# KiCad board panel-main.kicad_pcb (continued)
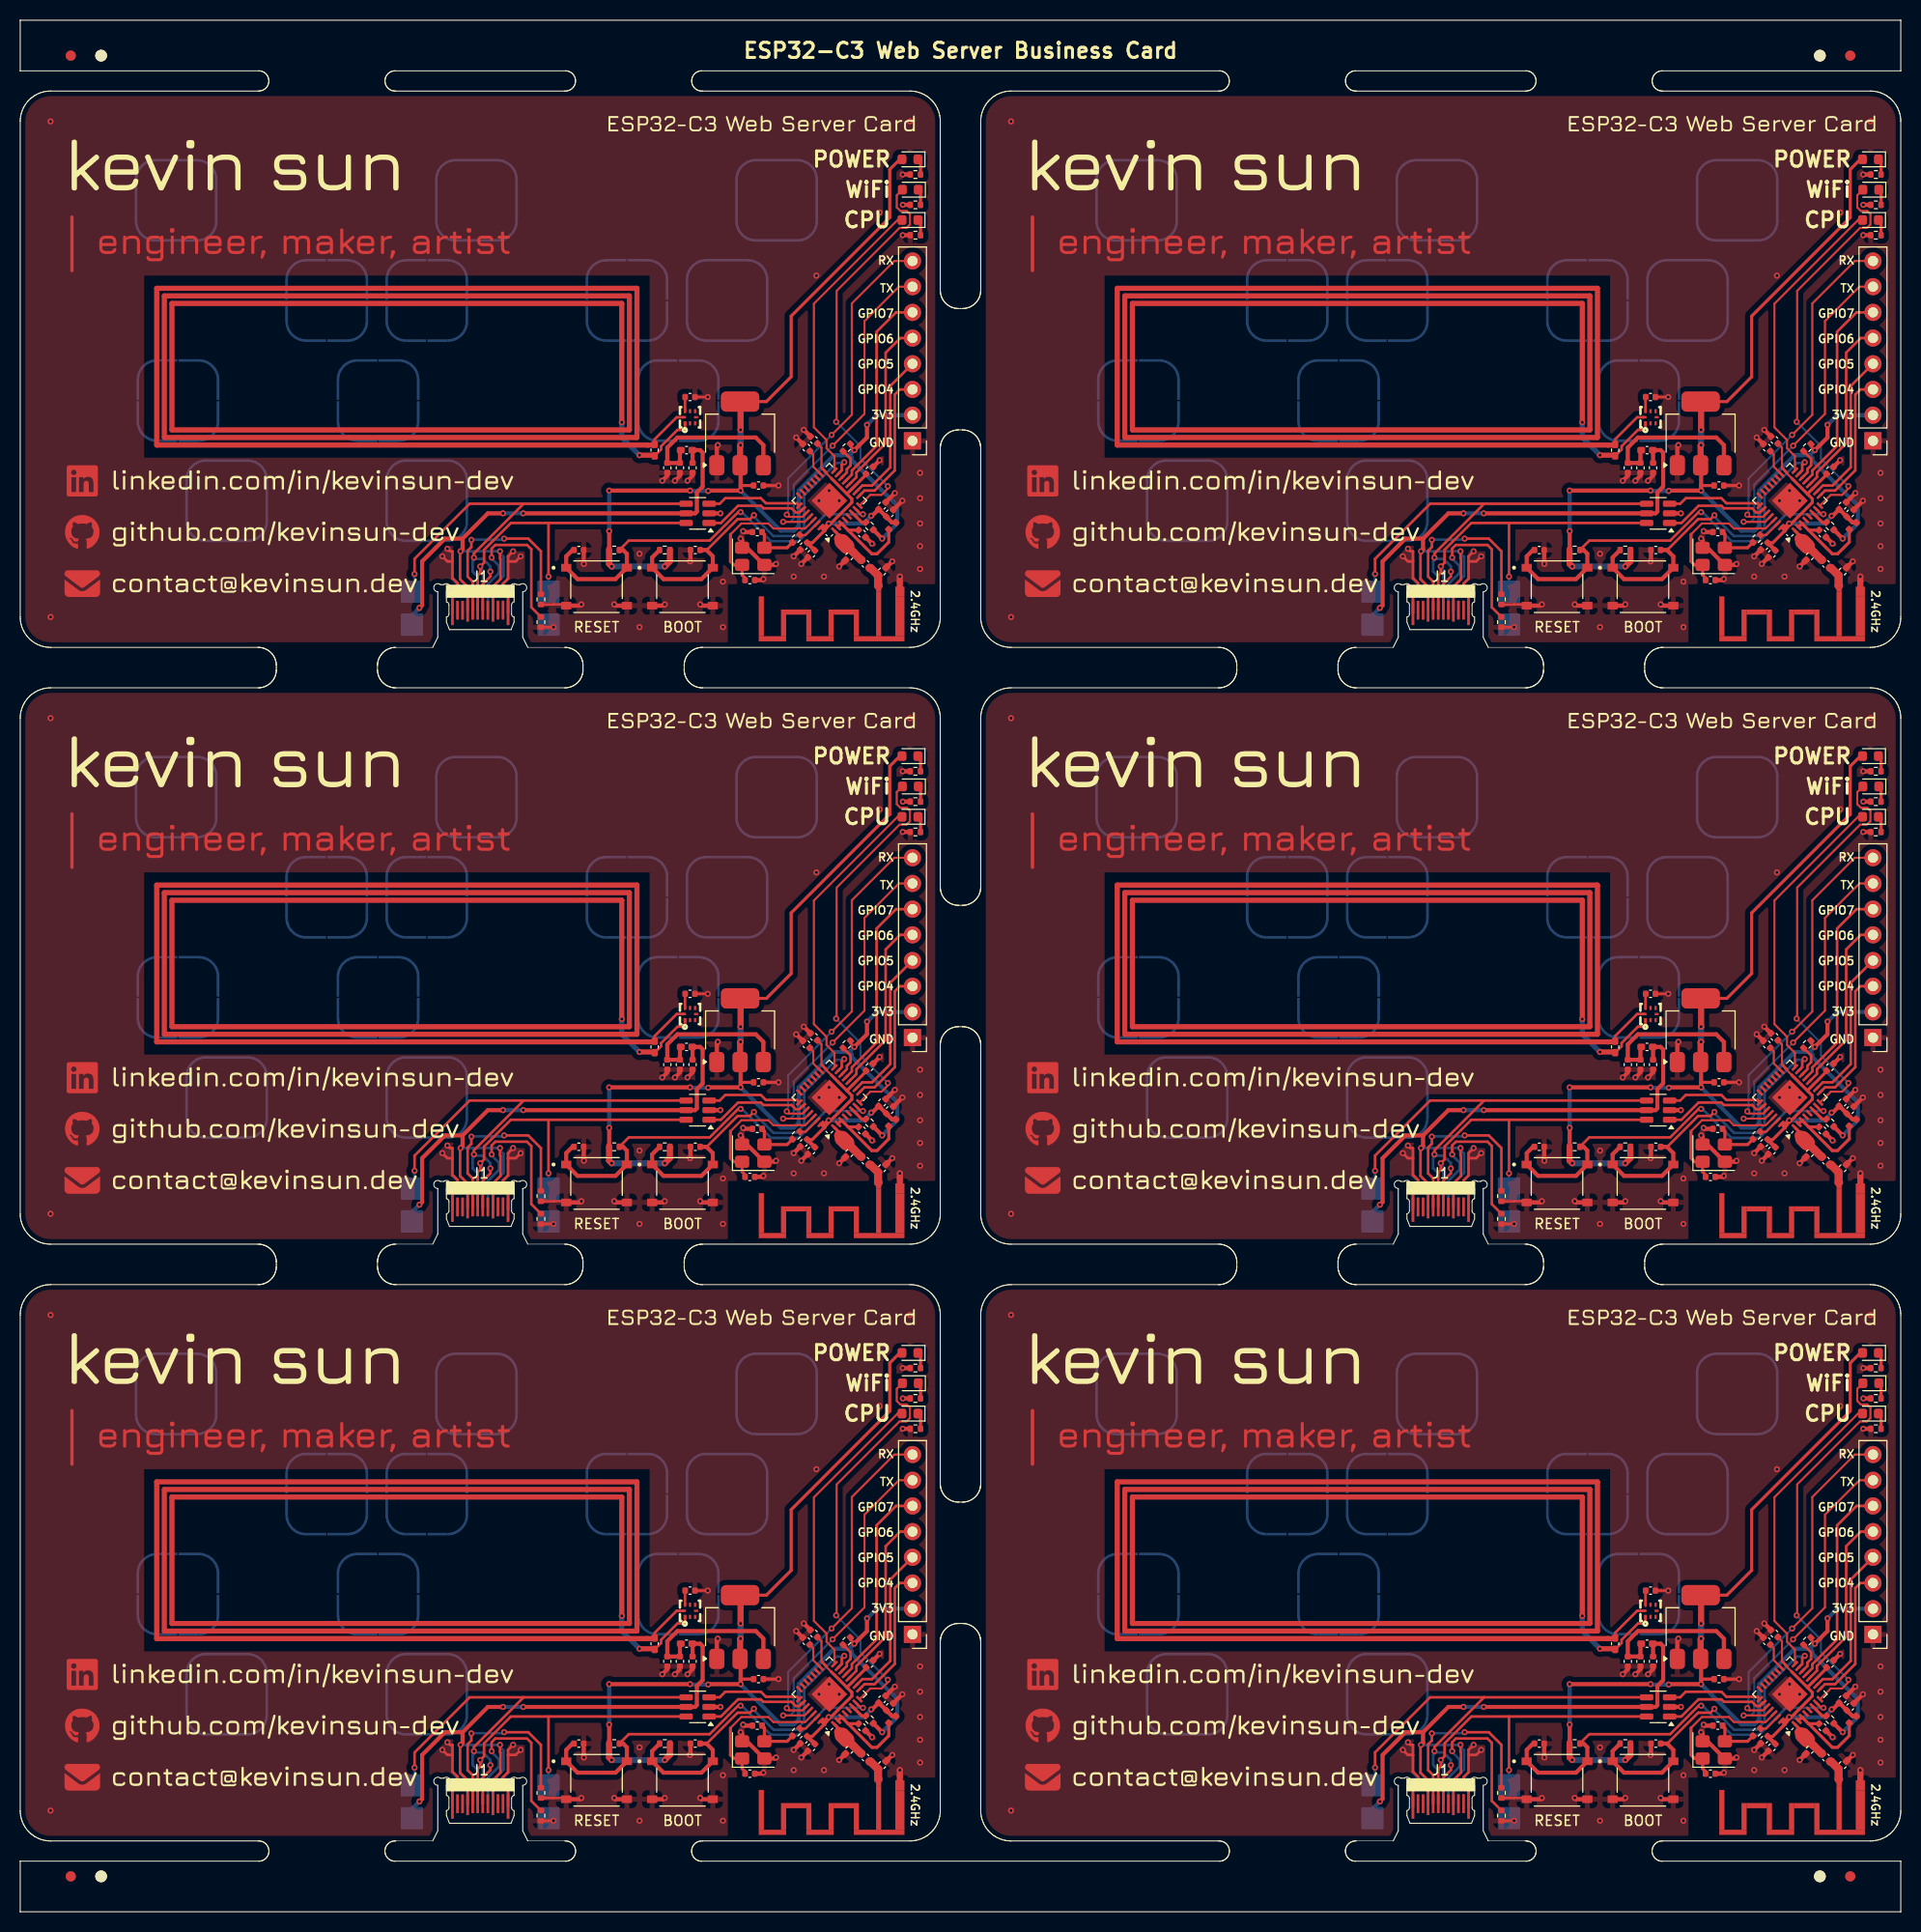
[diagram p0: board, top side]
## Library data of the parts
C1 C1#2-C1#6 C2 C2#2-C2#6 C5 C5#2-C5#6 C6 C6#2-C6#6 C13 C13#2-C13#6 C14 C14#2-C14#6 C17 C17#2-C17#6 C18 C18#2-C18#6 C20 C20#2-C20#6 = -: Description: Unpolarized capacitor; JLCPCB: C1525
C3 C3#2-C3#6 C15 C15#2-C15#6 C16 C16#2-C16#6 = -: Description: Unpolarized capacitor; JLCPCB: C15525
C4 C4#2-C4#6 C7 C7#2-C7#6 = -: Description: Unpolarized capacitor; JLCPCB: C52923
C8 C8#2-C8#6 = -: Description: Unpolarized capacitor; JLCPCB: C15195
C9 C9#2-C9#6 C10 C10#2-C10#6 = -: LCSC: C1547
C11 C11#2-C11#6 C12 C12#2-C12#6 = -: Description: Unpolarized capacitor; JLCPCB: C1552
C19 C19#2-C19#6 = -: Description: C1527; LCSC: C1527
D1 D1#2-D1#6 = -: Description: Light emitting diode; Sim.Pins: 1=K 2=A; JLCPCB: C2286
D2 D2#2-D2#6 = -: Description: Light emitting diode; Sim.Pins: 1=K 2=A; JLCPCB: C2290
D3 D3#2-D3#6 = -: Description: Light emitting diode; Sim.Pins: 1=K 2=A; JLCPCB: C89811
J1 J1#2-J1#6 = -: Datasheet: https://www.usb.org/sites/default/files/documents/usb_type-c.zip; Description: USB 2.0-only 14P Type-C Receptacle connector
J2 J2#2-J2#6 = -: Description: Generic connector, single row, 01x08, script generated
L1 L1#2-L1#6 L2 L2#2-L2#6 L3 L3#2-L3#6 = -: Description: Inductor; JLCPCB: C97997
R1 R1#2-R1#6 R2 R2#2-R2#6 R3 R3#2-R3#6 R4 R4#2-R4#6 R6 R6#2-R6#6 R7 R7#2-R7#6 = -: Description: Resistor; JLCPCB: C25905
R5 R5#2-R5#6 R8 R8#2-R8#6 R9 R9#2-R9#6 R10 R10#2-R10#6 = -: JLCPCB: C11702
SW1 SW1#2-SW1#6 SW2 SW2#2-SW2#6 = -: Description: Push button switch, generic, two pins; JLCPCB: C318884
U1 U1#2-U1#6 = -: Datasheet: https://www.espressif.com/sites/default/files/documentation/esp32-c3_datasheet_en.pdf; Description: RF Module, ESP32 SoC, RISC-V, WiFi 802.11b/n/g, Bluetooth LE 5, QFN32; JLCPCB: C2858491
U2 U2#2-U2#6 = -: LCSC Part: C710403
U3 U3#2-U3#6 = -: Datasheet: https://www.st.com/resource/en/datasheet/usblc6-2.pdf; Description: Very low capacitance ESD protection diode, 2 data-line, SOT-23-6; JLCPCB: C2687116
U4 U4#2-U4#6 = -: Datasheet: http://www.advanced-monolithic.com/pdf/ds1117.pdf; Description: 1A Low Dropout regulator, positive, 3.3V fixed output, SOT-223; JLCPCB: C6186
Y1 Y1#2-Y1#6 = -: Description: 40MHz Crystal Oscillator; JLCPCB: C5261245

## Footprints (pads in the part's own frame, mm; a bottom-side part is the same pattern mirrored in y, then rotated)
C710403
  rect 0.4x0.28 smd: 1(-0.6,0.5)
  rect 0.4x0.22 smd: 2(-0.6,0) 3(-0.6,-0.5) 5(0.6,-0.5) 6(0.6,0) 7(0.6,0.5)
  rect 0.22x0.4 smd: 4(0,-0.6) 8(0,0.6)
C_0402_1005Metric
  rrect 0.56x0.62 smd: 1(-0.48,0) 2(0.48,0)
C_0402_1005Metric_Pad0.74x0.62mm_HandSolder
  rrect 0.735x0.62 smd: 1(-0.568,0) 2(0.568,0)
Crystal_SMD_3225-4Pin_3.2x2.5mm
  rrect 1.4x1.2 smd: 1(-1.1,-0.85) 2(1.1,-0.85) 3(1.1,0.85) 4(-1.1,0.85)
Fiducial
  round 1 smd: (0,0)
L_0402_1005Metric
  rrect 0.59x0.64 smd: 1(-0.485,0) 2(0.485,0)
L_0402_1005Metric_Pad0.77x0.64mm_HandSolder
  rrect 0.765x0.64 smd: 1(-0.573,0) 2(0.573,0)
LED_0603_1608Metric
  rrect 0.875x0.95 smd: 1(-0.787,0) 2(0.787,0)
NPTH
  round 1.15 hole 1.15 unplated: (0,0)
pcb-antenna
  rect 0.5x0.5 smd: 1(2.1,0)
  rect 0.9x1 smd: 2(0,0.25)
PCBTypeC_24P
  rect 2.4x0.25 smd: A1(2.8,-2.75) A12(2.8,2.75)
  rect 1.85x0.25 smd: A2(2.525,-2.25) A3(2.525,-1.75) A5(2.525,-0.75) A6(2.525,-0.25) A7(2.525,0.25) A8(2.525,0.75) A10(2.525,1.75) A11(2.525,2.25)
  rect 2.05x0.25 smd: A4(2.625,-1.25) A9(2.625,1.25)
  rect 2.4x0.25 smd far side: B1(2.8,2.75) B12(2.8,-2.75)
  rect 1.85x0.25 smd far side: B2(2.5,2.25) B3(2.5,1.75) B5(2.525,0.75) B6(2.525,0.25) B7(2.525,-0.25) B8(2.525,-0.75) B10(2.525,-1.75) B11(2.525,-2.25)
  rect 2.05x0.25 smd far side: B4(2.625,1.25) B9(2.625,-1.25)
PinHeader_1x08_P2.54mm_Vertical
  rect 1.7x1.7 hole 1: 1(0,0)
  round 1.7 hole 1: 2(0,-2.54) 3(0,-5.08) 4(0,-7.62) 5(0,-10.16) 6(0,-12.7) 7(0,-15.24) 8(0,-17.78)
QFN-32-1EP_5x5mm_P0.5mm_EP3.7x3.7mm
  rrect 1.2x1.2 smd: (-0.615,-0.615) (-0.571,0.571) (0.642,0.642) (0.642,-0.642)
  rrect 0.8x0.25 smd: 1(-2.45,1.75) 2(-2.45,1.25) 3(-2.45,0.75) 4(-2.45,0.25) 5(-2.45,-0.25) 6(-2.45,-0.75) 7(-2.45,-1.25) 8(-2.45,-1.75) 17(2.45,-1.75) 18(2.45,-1.25) 19(2.45,-0.75) 20(2.45,-0.25) 21(2.45,0.25) 22(2.45,0.75) 23(2.45,1.25) 24(2.45,1.75)
  rrect 0.25x0.8 smd: 9(-1.75,-2.45) 10(-1.25,-2.45) 11(-0.75,-2.45) 12(-0.25,-2.45) 13(0.25,-2.45) 14(0.75,-2.45) 15(1.25,-2.45) 16(1.75,-2.45) 25(1.75,2.45) 26(1.25,2.45) 27(0.75,2.45) 28(0.25,2.45) 29(-0.25,2.45) 30(-0.75,2.45) 31(-1.25,2.45) 32(-1.75,2.45)
  rect 2.5x2.5 smd: 33(0,0)
R_0402_1005Metric
  rrect 0.54x0.64 smd: 1(-0.51,0) 2(0.51,0)
SOT-23-6
  rrect 1.325x0.6 smd: 1(-1.137,0.95) 2(-1.137,0) 3(-1.137,-0.95) 4(1.137,-0.95) 5(1.137,0) 6(1.137,0.95)
SOT-223-3_TabPin2
  rrect 2x1.5 smd: 1(-3.15,2.3) 2(-3.15,0) 3(-3.15,-2.3)
  rrect 2x3.8 smd: 2(3.15,0)
SW_TS-1187A-B-A-B
  rect 1x0.75 smd: 1(-3,1.875) 1(3,1.875) 2(-3,-1.875) 2(3,-1.875)

## Nets
Board_0-/VBUS: C13#3.1 L3.1 U3.5
Board_0-/VDD_SPI: C4#4.1 U1.18
Board_1-/VBUS: C13#2.1 L3#2.1 U3#4.5
Board_1-/VDD_SPI: C4#3.1 U1#2.18
Board_2-/VBUS: C13#5.1 L3#5.1 U3#3.5
Board_2-/VDD_SPI: C4#6.1 U1#3.18
Board_3-/VBUS: C13#6.1 L3#6.1 U3#5.5
Board_3-/VDD_SPI: C4#2.1 U1#5.18
Board_4-/VBUS: C13#4.1 L3#3.1 U3#6.5
Board_4-/VDD_SPI: C4.1 U1#6.18
Board_5-/VBUS: C13.1 L3#4.1 U3#2.5
Board_5-/VDD_SPI: C4#5.1 U1#4.18
Board_0-+3.3V: C2#4.1 C3#4.1 C5#6.1 C6#3.1 C7#4.1 C8#6.1 L1#5.1 U1.11 U1.17 U1.31 U1.32
Board_0-+3V3: C16.1 D1#3.2 J2#5.2 R3#3.1 R4#2.1 R6#4.2 R7#4.2 U4.2
Board_0-/BOOTSEL: C18#2.1 R4#2.2 SW2#2.1 U1.15
Board_0-/CHIP_EN: C17#3.1 R3#3.2 SW1#6.1 U1.7
Board_0-/GP2: R7#4.1 U1.6
Board_0-/GP8: R6#4.1 U1.14
Board_0-/LED_A: D2#4.2 U1.8
Board_0-/LED_B: D3.2 U1.16
Board_0-/LNA_IN: C12#3.1 L2#2.1 U1.1
Board_0-/MTCK: J2#5.5 U1.12
Board_0-/MTDI: J2#5.4 U1.10
Board_0-/MTDO: J2#5.6 U1.13
Board_0-/MTMS: J2#5.3 U1.9
Board_0-/U0RXD: J2#5.8 U1.27
Board_0-/U0TXD: J2#5.7 U1.28
Board_0-/USB_DN: U1.25 U3.3
Board_0-/USB_DP: U1.26 U3.1
Board_0-/XTAL_N: C9#2.1 U1.29 Y1#3.1
Board_0-/XTAL_P: R5#2.1 U1.30
Board_0-GND: AE1#4.2 C1#6.2 C2#4.2 C3#4.2 C4#4.2 C5#6.2 C6#3.2 C7#4.2 C8#6.2 C9#2.2 C10#3.2 C11#6.2 C12#3.2 C13#3.2 C14#2.2 C15#2.2 C16.2 C17#3.2 C18#2.2 C20#4.2 J2#5.1 R1#5.1 R2.2 R8#4.2 R9.2 R10#2.2 SW1#6.2 SW2#2.2 U1.33 U2.2 U3.2 U4.1 Y1#3.2 Y1#3.4
Board_0-Net-(AE1-FEED): AE1#4.1 C11#6.1 L2#2.2
Board_0-Net-(C1-Pad1): C1#6.1 L1#5.2 U1.2 U1.3
Board_0-Net-(C10-Pad1): C10#3.1 R5#2.2 Y1#3.3
Board_0-Net-(D1-K): D1#3.1 R8#4.1
Board_0-Net-(D2-K): D2#4.1 R9.1
Board_0-Net-(D3-K): D3.1 R10#2.1
Board_0-Net-(J1-CC1): R1#5.2
Board_0-Net-(J1-CC2): R2.1
Board_0-Net-(J1-D+-PadA6): U3.6
Board_0-Net-(J1-D--PadA7): U3.4
Board_0-Net-(U2-LA): C19#5.1 U2.1
Board_0-Net-(U2-LB): C19#5.2 U2.8
Board_0-Net-(U2-VOUT): C20#4.1 U2.7
Board_0-Net-(U4-VI): C14#2.1 C15#2.1 L3.2 U4.3
Board_0-unconnected-(U1-SPICLK-Pad22): U1.22
Board_0-unconnected-(U1-SPICS0-Pad21): U1.21
Board_0-unconnected-(U1-SPID-Pad23): U1.23
Board_0-unconnected-(U1-SPIHD-Pad19): U1.19
Board_0-unconnected-(U1-SPIQ-Pad24): U1.24
Board_0-unconnected-(U1-SPIWP-Pad20): U1.20
Board_0-unconnected-(U1-XTAL_32K_N-Pad5): U1.5
Board_0-unconnected-(U1-XTAL_32K_P-Pad4): U1.4
Board_0-unconnected-(U2-FD-Pad4): U2.4
Board_0-unconnected-(U2-SCL-Pad3): U2.3
Board_0-unconnected-(U2-SDA-Pad5): U2.5
Board_0-unconnected-(U2-VCC-Pad6): U2.6
Board_1-+3.3V: C2#2.1 C3.1 C5#4.1 C6#5.1 C7#3.1 C8#2.1 L1#4.1 U1#2.11 U1#2.17 U1#2.31 U1#2.32
Board_1-+3V3: C16#3.1 D1#4.2 J2#4.2 R3#6.1 R4.1 R6#5.2 R7#3.2 U4#3.2
Board_1-/BOOTSEL: C18.1 R4.2 SW2#4.1 U1#2.15
Board_1-/CHIP_EN: C17#2.1 R3#6.2 SW1.1 U1#2.7
Board_1-/GP2: R7#3.1 U1#2.6
Board_1-/GP8: R6#5.1 U1#2.14
Board_1-/LED_A: D2#6.2 U1#2.8
Board_1-/LED_B: D3#5.2 U1#2.16
Board_1-/LNA_IN: C12.1 L2#5.1 U1#2.1
Board_1-/MTCK: J2#4.5 U1#2.12
Board_1-/MTDI: J2#4.4 U1#2.10
Board_1-/MTDO: J2#4.6 U1#2.13
Board_1-/MTMS: J2#4.3 U1#2.9
Board_1-/U0RXD: J2#4.8 U1#2.27
Board_1-/U0TXD: J2#4.7 U1#2.28
Board_1-/USB_DN: U1#2.25 U3#4.3
Board_1-/USB_DP: U1#2.26 U3#4.1
Board_1-/XTAL_N: C9#6.1 U1#2.29 Y1#4.1
Board_1-/XTAL_P: R5.1 U1#2.30
Board_1-GND: AE1.2 C1#2.2 C2#2.2 C3.2 C4#3.2 C5#4.2 C6#5.2 C7#3.2 C8#2.2 C9#6.2 C10#2.2 C11.2 C12.2 C13#2.2 C14#4.2 C15#4.2 C16#3.2 C17#2.2 C18.2 C20#6.2 J2#4.1 R1#3.1 R2#6.2 R8#3.2 R9#2.2 R10#4.2 SW1.2 SW2#4.2 U1#2.33 U2#4.2 U3#4.2 U4#3.1 Y1#4.2 Y1#4.4
Board_1-Net-(AE1-FEED): AE1.1 C11.1 L2#5.2
Board_1-Net-(C1-Pad1): C1#2.1 L1#4.2 U1#2.2 U1#2.3
Board_1-Net-(C10-Pad1): C10#2.1 R5.2 Y1#4.3
Board_1-Net-(D1-K): D1#4.1 R8#3.1
Board_1-Net-(D2-K): D2#6.1 R9#2.1
Board_1-Net-(D3-K): D3#5.1 R10#4.1
Board_1-Net-(J1-CC1): R1#3.2
Board_1-Net-(J1-CC2): R2#6.1
Board_1-Net-(J1-D+-PadA6): U3#4.6
Board_1-Net-(J1-D--PadA7): U3#4.4
Board_1-Net-(U2-LA): C19#4.1 U2#4.1
Board_1-Net-(U2-LB): C19#4.2 U2#4.8
Board_1-Net-(U2-VOUT): C20#6.1 U2#4.7
Board_1-Net-(U4-VI): C14#4.1 C15#4.1 L3#2.2 U4#3.3
Board_1-unconnected-(U1-SPICLK-Pad22): U1#2.22
Board_1-unconnected-(U1-SPICS0-Pad21): U1#2.21
Board_1-unconnected-(U1-SPID-Pad23): U1#2.23
Board_1-unconnected-(U1-SPIHD-Pad19): U1#2.19
Board_1-unconnected-(U1-SPIQ-Pad24): U1#2.24
Board_1-unconnected-(U1-SPIWP-Pad20): U1#2.20
Board_1-unconnected-(U1-XTAL_32K_N-Pad5): U1#2.5
Board_1-unconnected-(U1-XTAL_32K_P-Pad4): U1#2.4
Board_1-unconnected-(U2-FD-Pad4): U2#4.4
Board_1-unconnected-(U2-SCL-Pad3): U2#4.3
Board_1-unconnected-(U2-SDA-Pad5): U2#4.5
Board_1-unconnected-(U2-VCC-Pad6): U2#4.6
Board_2-+3.3V: C2#3.1 C3#2.1 C5#5.1 C6#6.1 C7#5.1 C8#5.1 L1#2.1 U1#3.11 U1#3.17 U1#3.31 U1#3.32
Board_2-+3V3: C16#5.1 D1.2 J2#2.2 R3#2.1 R4#5.1 R6#6.2 R7#5.2 U4#6.2
Board_2-/BOOTSEL: C18#6.1 R4#5.2 SW2#6.1 U1#3.15
Board_2-/CHIP_EN: C17#6.1 R3#2.2 SW1#3.1 U1#3.7
Board_2-/GP2: R7#5.1 U1#3.6
Board_2-/GP8: R6#6.1 U1#3.14
Board_2-/LED_A: D2#2.2 U1#3.8
Board_2-/LED_B: D3#6.2 U1#3.16
Board_2-/LNA_IN: C12#6.1 L2.1 U1#3.1
Board_2-/MTCK: J2#2.5 U1#3.12
Board_2-/MTDI: J2#2.4 U1#3.10
Board_2-/MTDO: J2#2.6 U1#3.13
Board_2-/MTMS: J2#2.3 U1#3.9
Board_2-/U0RXD: J2#2.8 U1#3.27
Board_2-/U0TXD: J2#2.7 U1#3.28
Board_2-/USB_DN: U1#3.25 U3#3.3
Board_2-/USB_DP: U1#3.26 U3#3.1
Board_2-/XTAL_N: C9#4.1 U1#3.29 Y1#6.1
Board_2-/XTAL_P: R5#3.1 U1#3.30
Board_2-GND: AE1#3.2 C1#3.2 C2#3.2 C3#2.2 C4#6.2 C5#5.2 C6#6.2 C7#5.2 C8#5.2 C9#4.2 C10.2 C11#5.2 C12#6.2 C13#5.2 C14.2 C15#5.2 C16#5.2 C17#6.2 C18#6.2 C20#2.2 J2#2.1 R1.1 R2#5.2 R8#5.2 R9#4.2 R10#5.2 SW1#3.2 SW2#6.2 U1#3.33 U2#5.2 U3#3.2 U4#6.1 Y1#6.2 Y1#6.4
Board_2-Net-(AE1-FEED): AE1#3.1 C11#5.1 L2.2
Board_2-Net-(C1-Pad1): C1#3.1 L1#2.2 U1#3.2 U1#3.3
Board_2-Net-(C10-Pad1): C10.1 R5#3.2 Y1#6.3
Board_2-Net-(D1-K): D1.1 R8#5.1
Board_2-Net-(D2-K): D2#2.1 R9#4.1
Board_2-Net-(D3-K): D3#6.1 R10#5.1
Board_2-Net-(J1-CC1): R1.2
Board_2-Net-(J1-CC2): R2#5.1
Board_2-Net-(J1-D+-PadA6): U3#3.6
Board_2-Net-(J1-D--PadA7): U3#3.4
Board_2-Net-(U2-LA): C19#3.1 U2#5.1
Board_2-Net-(U2-LB): C19#3.2 U2#5.8
Board_2-Net-(U2-VOUT): C20#2.1 U2#5.7
Board_2-Net-(U4-VI): C14.1 C15#5.1 L3#5.2 U4#6.3
Board_2-unconnected-(U1-SPICLK-Pad22): U1#3.22
Board_2-unconnected-(U1-SPICS0-Pad21): U1#3.21
Board_2-unconnected-(U1-SPID-Pad23): U1#3.23
Board_2-unconnected-(U1-SPIHD-Pad19): U1#3.19
Board_2-unconnected-(U1-SPIQ-Pad24): U1#3.24
Board_2-unconnected-(U1-SPIWP-Pad20): U1#3.20
Board_2-unconnected-(U1-XTAL_32K_N-Pad5): U1#3.5
Board_2-unconnected-(U1-XTAL_32K_P-Pad4): U1#3.4
Board_2-unconnected-(U2-FD-Pad4): U2#5.4
Board_2-unconnected-(U2-SCL-Pad3): U2#5.3
Board_2-unconnected-(U2-SDA-Pad5): U2#5.5
Board_2-unconnected-(U2-VCC-Pad6): U2#5.6
Board_3-+3.3V: C2.1 C3#6.1 C5.1 C6#4.1 C7#2.1 C8.1 L1#6.1 U1#5.11 U1#5.17 U1#5.31 U1#5.32
Board_3-+3V3: C16#4.1 D1#5.2 J2#6.2 R3.1 R4#6.1 R6#3.2 R7.2 U4#2.2
Board_3-/BOOTSEL: C18#3.1 R4#6.2 SW2#5.1 U1#5.15
Board_3-/CHIP_EN: C17.1 R3.2 SW1#2.1 U1#5.7
Board_3-/GP2: R7.1 U1#5.6
Board_3-/GP8: R6#3.1 U1#5.14
Board_3-/LED_A: D2.2 U1#5.8
Board_3-/LED_B: D3#3.2 U1#5.16
Board_3-/LNA_IN: C12#5.1 L2#6.1 U1#5.1
Board_3-/MTCK: J2#6.5 U1#5.12
Board_3-/MTDI: J2#6.4 U1#5.10
Board_3-/MTDO: J2#6.6 U1#5.13
Board_3-/MTMS: J2#6.3 U1#5.9
Board_3-/U0RXD: J2#6.8 U1#5.27
Board_3-/U0TXD: J2#6.7 U1#5.28
Board_3-/USB_DN: U1#5.25 U3#5.3
Board_3-/USB_DP: U1#5.26 U3#5.1
Board_3-/XTAL_N: C9.1 U1#5.29 Y1#2.1
Board_3-/XTAL_P: R5#4.1 U1#5.30
Board_3-GND: AE1#5.2 C1#5.2 C2.2 C3#6.2 C4#2.2 C5.2 C6#4.2 C7#2.2 C8.2 C9.2 C10#6.2 C11#3.2 C12#5.2 C13#6.2 C14#6.2 C15#6.2 C16#4.2 C17.2 C18#3.2 C20#5.2 J2#6.1 R1#4.1 R2#3.2 R8#2.2 R9#6.2 R10#3.2 SW1#2.2 SW2#5.2 U1#5.33 U2#2.2 U3#5.2 U4#2.1 Y1#2.2 Y1#2.4
Board_3-Net-(AE1-FEED): AE1#5.1 C11#3.1 L2#6.2
Board_3-Net-(C1-Pad1): C1#5.1 L1#6.2 U1#5.2 U1#5.3
Board_3-Net-(C10-Pad1): C10#6.1 R5#4.2 Y1#2.3
Board_3-Net-(D1-K): D1#5.1 R8#2.1
Board_3-Net-(D2-K): D2.1 R9#6.1
Board_3-Net-(D3-K): D3#3.1 R10#3.1
Board_3-Net-(J1-CC1): R1#4.2
Board_3-Net-(J1-CC2): R2#3.1
Board_3-Net-(J1-D+-PadA6): U3#5.6
Board_3-Net-(J1-D--PadA7): U3#5.4
Board_3-Net-(U2-LA): C19.1 U2#2.1
Board_3-Net-(U2-LB): C19.2 U2#2.8
Board_3-Net-(U2-VOUT): C20#5.1 U2#2.7
Board_3-Net-(U4-VI): C14#6.1 C15#6.1 L3#6.2 U4#2.3
Board_3-unconnected-(U1-SPICLK-Pad22): U1#5.22
Board_3-unconnected-(U1-SPICS0-Pad21): U1#5.21
Board_3-unconnected-(U1-SPID-Pad23): U1#5.23
Board_3-unconnected-(U1-SPIHD-Pad19): U1#5.19
Board_3-unconnected-(U1-SPIQ-Pad24): U1#5.24
Board_3-unconnected-(U1-SPIWP-Pad20): U1#5.20
Board_3-unconnected-(U1-XTAL_32K_N-Pad5): U1#5.5
Board_3-unconnected-(U1-XTAL_32K_P-Pad4): U1#5.4
Board_3-unconnected-(U2-FD-Pad4): U2#2.4
Board_3-unconnected-(U2-SCL-Pad3): U2#2.3
Board_3-unconnected-(U2-SDA-Pad5): U2#2.5
Board_3-unconnected-(U2-VCC-Pad6): U2#2.6
Board_4-+3.3V: C2#6.1 C3#5.1 C5#2.1 C6#2.1 C7#6.1 C8#4.1 L1.1 U1#6.11 U1#6.17 U1#6.31 U1#6.32
Board_4-+3V3: C16#6.1 D1#2.2 J2#3.2 R3#5.1 R4#4.1 R6.2 R7#2.2 U4#5.2
Board_4-/BOOTSEL: C18#4.1 R4#4.2 SW2#3.1 U1#6.15
Board_4-/CHIP_EN: C17#5.1 R3#5.2 SW1#4.1 U1#6.7
Board_4-/GP2: R7#2.1 U1#6.6
Board_4-/GP8: R6.1 U1#6.14
Board_4-/LED_A: D2#5.2 U1#6.8
Board_4-/LED_B: D3#2.2 U1#6.16
Board_4-/LNA_IN: C12#4.1 L2#4.1 U1#6.1
Board_4-/MTCK: J2#3.5 U1#6.12
Board_4-/MTDI: J2#3.4 U1#6.10
Board_4-/MTDO: J2#3.6 U1#6.13
Board_4-/MTMS: J2#3.3 U1#6.9
Board_4-/U0RXD: J2#3.8 U1#6.27
Board_4-/U0TXD: J2#3.7 U1#6.28
Board_4-/USB_DN: U1#6.25 U3#6.3
Board_4-/USB_DP: U1#6.26 U3#6.1
Board_4-/XTAL_N: C9#5.1 U1#6.29 Y1#5.1
Board_4-/XTAL_P: R5#6.1 U1#6.30
Board_4-GND: AE1#2.2 C1#4.2 C2#6.2 C3#5.2 C4.2 C5#2.2 C6#2.2 C7#6.2 C8#4.2 C9#5.2 C10#4.2 C11#2.2 C12#4.2 C13#4.2 C14#3.2 C15#3.2 C16#6.2 C17#5.2 C18#4.2 C20.2 J2#3.1 R1#6.1 R2#2.2 R8#6.2 R9#5.2 R10.2 SW1#4.2 SW2#3.2 U1#6.33 U2#6.2 U3#6.2 U4#5.1 Y1#5.2 Y1#5.4
Board_4-Net-(AE1-FEED): AE1#2.1 C11#2.1 L2#4.2
Board_4-Net-(C1-Pad1): C1#4.1 L1.2 U1#6.2 U1#6.3
Board_4-Net-(C10-Pad1): C10#4.1 R5#6.2 Y1#5.3
Board_4-Net-(D1-K): D1#2.1 R8#6.1
Board_4-Net-(D2-K): D2#5.1 R9#5.1
Board_4-Net-(D3-K): D3#2.1 R10.1
Board_4-Net-(J1-CC1): R1#6.2
Board_4-Net-(J1-CC2): R2#2.1
Board_4-Net-(J1-D+-PadA6): U3#6.6
Board_4-Net-(J1-D--PadA7): U3#6.4
Board_4-Net-(U2-LA): C19#6.1 U2#6.1
Board_4-Net-(U2-LB): C19#6.2 U2#6.8
Board_4-Net-(U2-VOUT): C20.1 U2#6.7
Board_4-Net-(U4-VI): C14#3.1 C15#3.1 L3#3.2 U4#5.3
Board_4-unconnected-(U1-SPICLK-Pad22): U1#6.22
Board_4-unconnected-(U1-SPICS0-Pad21): U1#6.21
Board_4-unconnected-(U1-SPID-Pad23): U1#6.23
Board_4-unconnected-(U1-SPIHD-Pad19): U1#6.19
Board_4-unconnected-(U1-SPIQ-Pad24): U1#6.24
Board_4-unconnected-(U1-SPIWP-Pad20): U1#6.20
Board_4-unconnected-(U1-XTAL_32K_N-Pad5): U1#6.5
Board_4-unconnected-(U1-XTAL_32K_P-Pad4): U1#6.4
Board_4-unconnected-(U2-FD-Pad4): U2#6.4
Board_4-unconnected-(U2-SCL-Pad3): U2#6.3
Board_4-unconnected-(U2-SDA-Pad5): U2#6.5
Board_4-unconnected-(U2-VCC-Pad6): U2#6.6
Board_5-+3.3V: C2#5.1 C3#3.1 C5#3.1 C6.1 C7.1 C8#3.1 L1#3.1 U1#4.11 U1#4.17 U1#4.31 U1#4.32
Board_5-+3V3: C16#2.1 D1#6.2 J2.2 R3#4.1 R4#3.1 R6#2.2 R7#6.2 U4#4.2
Board_5-/BOOTSEL: C18#5.1 R4#3.2 SW2.1 U1#4.15
Board_5-/CHIP_EN: C17#4.1 R3#4.2 SW1#5.1 U1#4.7
Board_5-/GP2: R7#6.1 U1#4.6
Board_5-/GP8: R6#2.1 U1#4.14
Board_5-/LED_A: D2#3.2 U1#4.8
Board_5-/LED_B: D3#4.2 U1#4.16
Board_5-/LNA_IN: C12#2.1 L2#3.1 U1#4.1
Board_5-/MTCK: J2.5 U1#4.12
Board_5-/MTDI: J2.4 U1#4.10
Board_5-/MTDO: J2.6 U1#4.13
Board_5-/MTMS: J2.3 U1#4.9
Board_5-/U0RXD: J2.8 U1#4.27
Board_5-/U0TXD: J2.7 U1#4.28
Board_5-/USB_DN: U1#4.25 U3#2.3
Board_5-/USB_DP: U1#4.26 U3#2.1
Board_5-/XTAL_N: C9#3.1 U1#4.29 Y1.1
Board_5-/XTAL_P: R5#5.1 U1#4.30
Board_5-GND: AE1#6.2 C1.2 C2#5.2 C3#3.2 C4#5.2 C5#3.2 C6.2 C7.2 C8#3.2 C9#3.2 C10#5.2 C11#4.2 C12#2.2 C13.2 C14#5.2 C15.2 C16#2.2 C17#4.2 C18#5.2 C20#3.2 J2.1 R1#2.1 R2#4.2 R8.2 R9#3.2 R10#6.2 SW1#5.2 SW2.2 U1#4.33 U2#3.2 U3#2.2 U4#4.1 Y1.2 Y1.4
Board_5-Net-(AE1-FEED): AE1#6.1 C11#4.1 L2#3.2
Board_5-Net-(C1-Pad1): C1.1 L1#3.2 U1#4.2 U1#4.3
Board_5-Net-(C10-Pad1): C10#5.1 R5#5.2 Y1.3
Board_5-Net-(D1-K): D1#6.1 R8.1
Board_5-Net-(D2-K): D2#3.1 R9#3.1
Board_5-Net-(D3-K): D3#4.1 R10#6.1
Board_5-Net-(J1-CC1): R1#2.2
Board_5-Net-(J1-CC2): R2#4.1
Board_5-Net-(J1-D+-PadA6): U3#2.6
Board_5-Net-(J1-D--PadA7): U3#2.4
Board_5-Net-(U2-LA): C19#2.1 U2#3.1
Board_5-Net-(U2-LB): C19#2.2 U2#3.8
Board_5-Net-(U2-VOUT): C20#3.1 U2#3.7
Board_5-Net-(U4-VI): C14#5.1 C15.1 L3#4.2 U4#4.3
Board_5-unconnected-(U1-SPICLK-Pad22): U1#4.22
Board_5-unconnected-(U1-SPICS0-Pad21): U1#4.21